# Altium PCB PCB1.PcbDoc
Units mil, origin at the board's own origin, x right, y up, seen from the top; angles counter-clockwise.
Board outline 2675 x 1260 mil, 2 copper layers (Top Layer, Bottom Layer); 35 components, 33 nets, 164 pads, 39 vias.
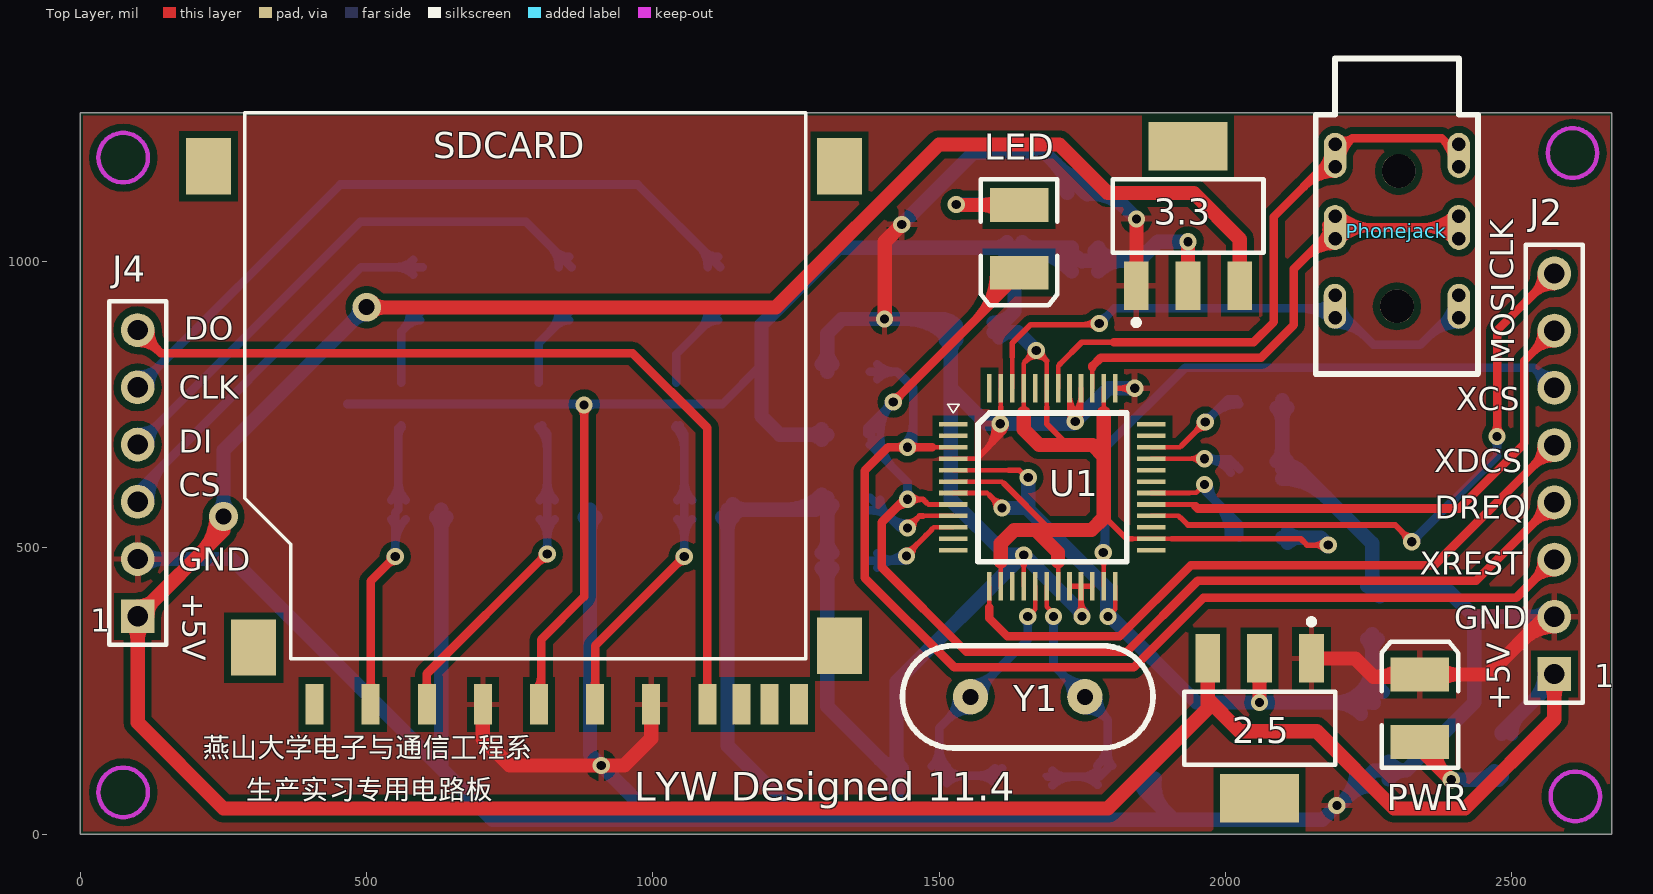
[diagram p0: Top Layer view]
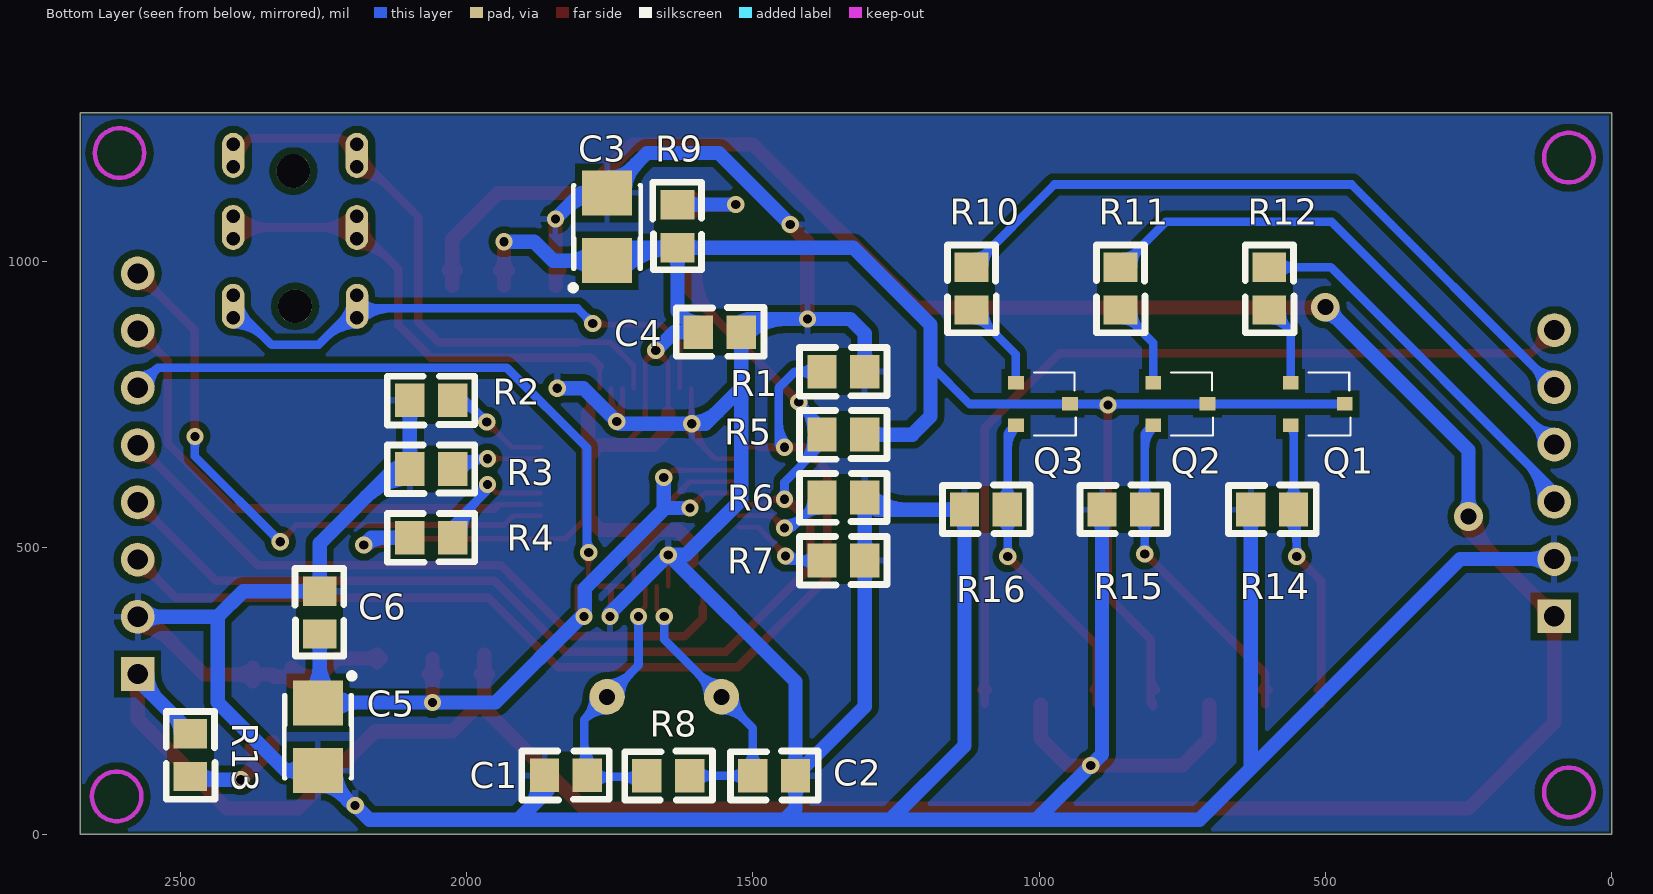
[diagram p1: Bottom Layer view, seen from below]

## Layer stack, top to bottom
Top Layer: signal copper 1.4
Dielectric: dielectric 12.6, FR-4, Dk 4.8
Bottom Layer: signal copper 1.4

## Board outline
0,0 2675,0 2675,1260 0,1260

## Design rules (kind name [scope] priority, off if disabled: settings)
Clearance [All] p1: gap=12
ComponentClearance [All] p1 off: gap=10 collisioncheckmode=3 verticalgap=10 showdistances=FALSE
HoleSize [All] p1 off: absolutevalues=TRUE maxlimit=100 minlimit=1 maxpercent=80.000 minpercent=20.000
HoleToHoleClearance [All] p1: gap=0 allowstackedmicrovias=TRUE
MinimumSolderMaskSliver [All] p1 off: minsoldermaskwidth=8
PolygonConnect [All] p1: connectstyle=Relief reliefconductorwidth=10 reliefentries=4 polygonreliefangle="90 Angle"
RoutingVias [All] p1: holewidth=16 width=30 viastyle="Through Hole" minholewidth=16 minwidth=30 maxholewidth=28 maxwidth=50
SilkscreenOverComponentPads [All] p1: minsilkscreentomaskgap=2
SolderMaskExpansion [All] p1: expansion=2
TestPointUsage FabricationTestPointUsage [All] p1: valid=0 allowmultiple=FALSE
Testpoint FabricationTestpoint [All] p1: side=3 testpointundercomponent=TRUE minsize=40 maxsize=100 preferedsize=60 minholesize=0 maxholesize=40 preferedholesize=32 testpointgrid=1 style=297 order=0-112345678
Width Width_1 [InNet('GND')] p1: maxlimit=50 minlimit=8 preferedwidth=25
Width [All] p2: maxlimit=50 minlimit=8 preferedwidth=15
19 further rules are at their usual default settings.

## Components (designator, comment, footprint, x,y, rotation, side; value= is the part's Value field where it differs from the comment)
2.5 "LM1117-2.5" SOT223 2060,185 r180 top (schematic designator U3)
3.3 "LM1117-3.3" SOT223 1935,1080 r0 top (schematic designator U2)
C1 "Cap2" C0805 1825,100 r0 bottom
C2 "Cap2" C0805 1465,105 r180 bottom
C3 "Cap Pol3" 3528 1755,1060 r90 bottom
C4 "Cap2" C0805 1560,880 r180 bottom
C5 "Cap Pol3" 3528 2260,171.28 r270 bottom
C6 "Cap2" C0805 2260,385 r90 bottom
J2 "Header 8" HDR1X8 2575,279.68 r90 top
J4 "Header 6" HDR1X6 100,380.63 r90 top
LED "LED3" DSO-C2/D5.6 1640,1040 r270 top
Phonejack "Phonejack" 3.5MMPHONEJACK 2300,1060 r270 top
PWR "LED3" DSO-C2/D5.6 2340,220 r90 top (schematic designator PWR1)
Q1 "8050" SOT-23 515,750 r270 bottom
Q2 "8050" SOT-23 755,750 r270 bottom
Q3 "8050" SOT-23 995,750 r270 bottom
R1 "Res2" C0805 1340,805 r0 bottom
R2 "Res2" C0805 2060,755 r0 bottom
R3 "Res2" C0805 2060,635 r0 bottom
R4 "Res2" C0805 2060,515 r0 bottom
R5 "Res2" C0805 1340,695 r0 bottom
R6 "Res2" C0805 1340,585 r0 bottom
R7 "Res2" C0805 1340,475 r0 bottom
R8 "Res2" C0805 1650,105 r180 bottom
R9 "Res2" C0805 1635,1060 r90 bottom
R10 "Res2" C0805 1115,955 r270 bottom
R11 "Res2" C0805 855,955 r270 bottom
R12 "Res2" C0805 595,955 r270 bottom
R13 "Res2" C0805 2480,140 r270 bottom
R14 "Res2" C0805 595,570 r180 bottom
R15 "Res2" C0805 855,570 r180 bottom
R16 "Res2" C0805 1095,570 r180 bottom
SDCARD "SD_card" SDCARD 775,770 r90 top (schematic designator J3)
U1 "VS1003" LQFP-48 1695,600 r0 top
Y1 "12.288M" XTAL 1655,240 r180 top

## Footprints (in the part's own frame and the unit in brackets; to place one, negate y for a bottom-side part, rotate by r counter-clockwise, add the part's x,y. Pads: shape width x height; smd on the part's side, far side on the other; paste and mask are expansions set on the pad)
3.5MMPHONEJACK [mm]
  oval 2x1 all layers, no hole: 1(-3.199,2.743) 1(-3.199,-2.743) 2(3.5,2.75) 2(3.5,-2.75) 3(0,2.75) 3(0.001,-2.743)
  round 0.8 hole 0.6: 1A(-3.699,2.743) 1A(-3.699,-2.743) 1B(-2.699,2.743) 1B(-2.699,-2.743) 2A(3.007,2.743) 2A(3.007,-2.743) 2B(4.007,2.743) 2B(4.007,-2.743) 3A(-0.499,2.743) 3A(-0.499,-2.743) 3B(0.501,2.743) 3B(0.501,-2.743)
  round 1.5 hole 1.5: ""(-2.5,0.076) ""(3.5,0)
  silkscreen extent -7.5,-3.61 6.5,3.6
3528 [mm]
  rect 2x2.2 smd: 1(-1.475,0) 2(1.525,0)
  silkscreen extent -2.8,-1.5 1.88,1.63
C0805 [mm]
  rect 1.3x1.5 smd: 1(-0.899,-0.076) 2(1.001,-0.076)
  silkscreen extent -1.88,-1.14 2.01,1.02
DSO-C2/D5.6 [mm] "SM LED; 2 C-Bend Leads; Body 3.5 x 2.8 x 1.9 mm, inc leads (LxWxH typ)"
  rect 1.5x2.6 smd: 1(-1.5,0) 2(1.5,0)
  silkscreen extent -2.65,-1.7 2.95,1.7
HDR1X6 [mm] "Connector; Header; 6 Position"
  rect 1.5x1.5 hole 0.9: 1(0,0)
  round 1.5 hole 0.9: 2(2.54,0) 3(5.08,0) 4(7.62,0) 5(10.16,0) 6(12.7,0)
  silkscreen extent -1.27,-1.27 13.97,1.27
HDR1X8 [mm] "Connector; Header; 8 Position"
  rect 1.5x1.5 hole 0.9: 1(0,0)
  round 1.5 hole 0.9: 2(2.54,0) 3(5.08,0) 4(7.62,0) 5(10.16,0) 6(12.7,0) 7(15.24,0) 8(17.78,0)
  silkscreen extent -1.27,-1.27 19.05,1.27
LQFP-48 [mil]
  rect 50x8 smd: 1(-170,116) 2(-170,96) 3(-170,76) 4(-170,56) 5(-170,36) 6(-170,16) 7(-170,-4) 8(-170,-24) 9(-170,-44) 10(-170,-64) 11(-170,-84) 12(-170,-104) 25(176,-104) 26(176,-84) 27(176,-64) 28(176,-44) 29(176,-24) 30(176,-4) 31(176,16) 32(176,36) 33(176,56) 34(176,76) 35(176,96) 36(176,116)
  rect 8x50 smd: 13(-107,-167) 14(-87,-167) 15(-67,-167) 16(-47,-167) 17(-27,-167) 18(-7,-167) 19(13,-167) 20(33,-167) 21(53,-167) 22(73,-167) 23(93,-167) 24(113,-167) 37(113,179) 38(93,179) 39(73,179) 40(53,179) 41(33,179) 42(13,179) 43(-7,179) 44(-27,179) 45(-47,179) 46(-67,179) 47(-87,179) 48(-107,179)
  silkscreen extent -180,-124 133,151
SDCARD [mm]
  rect 1.8x0.8 smd: 1(-13.8,6.804) 2(-13.8,4.315) 3(-13.8,1.826) 4(-13.8,-0.664) 5(-13.8,-3.153) 6(-13.8,-5.642) 7(-13.8,-8.131) 8(-13.8,-9.655) 9(-13.8,9.293) 10(-13.8,-10.9) 11(-13.8,-12.195)
  rect 2.5x2 smd: 12(-11.278,12) 12(-11.201,-14) 12(10.076,14) 12(10.076,-14)
  silkscreen extent -11.77,-12.5 12.45,12.39
SOT223 [mm]
  rect 1.1x2.15 smd: 1(-2.3,-3.1) 2(0,-3.1) 3(2.3,-3.1)
  rect 3.5x2.15 smd: 2(0,3.1)
  silkscreen extent -3.35,-4.85 3.35,1.63
SOT-23 [mm]
  rect 0.6x0.7 smd: 1(-0.99,-1.159) 2(0.91,-1.159) 3(-0.04,1.241)
  silkscreen extent -1.44,-0.36 1.36,1.49
XTAL [mil]
  round 62 hole 28: 1(-100,0) 2(100,0)
  silkscreen extent -219,-89 219,89

## Part data
2.5: library part LM1117-3.3
C1 C2 C4 C6: "Capacitor"
C3 C5: "Polarized Capacitor (Surface Mount)"
J2: "Header, 8-Pin"
J4: "Header, 6-Pin"
LED PWR: "Typical BLUE SiC LED"
R1 R2 R3 R4 R5 R6 R7 R8 R9 R10 R11 R12 R13 R14 R15 R16: "Resistor"
Y1: library part XTAL, "Crystal Oscillator"

## Via types
v1: diameter 30, hole 16, Top Layer to Bottom Layer, 37 vias
v2: diameter 50, hole 28, Top Layer to Bottom Layer, 2 vias

## Nets (pads, with @x,y where several pads share a name; then routed paths per layer and width w, separated by ;. In a path a pad name is that pad's centre, name@x,y a point inside that pad or via, vN(x,y) a via of type N, cw(c..) or ccw(c..) an arc to the next point about the centre after c; other vN are vias at no path point)
CS: J4.3 R12.1 | length 876.2
  Bottom Layer w15: J4.3 100,600 490.4,990.4 R12.1 ; J4.3@107.03,580.63 cw(c170.76,580.63) 125.69,625.69 ; J4.3@122.03,580.63 cw(c221.97,580.63) 151.3,651.3 ; R12.1@581.27,977.61 ccw(c550.39,946.73) 550.39,990.4 ccw(c550.39,1034.08) R12.1@581.27,1003.19
DI: J4.4 R11.1 | length 1104.4
  Bottom Layer w15: J4.4 489.37,1070 778.4,1070 R11.1 ; J4.4@100,702.66 ccw(c100,755.84) 137.6,718.23 ccw(c175.21,680.63) J4.4@122.03,680.63 ; 820.4,1028 cw(c782.79,990.4) R11.1@835.97,990.4 ; 829.9,1018.5 ccw(c854.06,1042.66) R11.1@854.06,1008.49
DO: J4.6 SDCARD.7 | length 1663.8
  Top Layer w15: J4.6@100,858.6 cw(c100,805.42) 137.6,843.03 cw(c175.21,880.63) J4.6@122.03,880.63 ; J4.6 140.63,840 965,840 1095.13,709.87 SDCARD.7 ; SDCARD.7@1089.29,252.21 ccw(c1075.21,266.29) 1095.13,266.29 ccw(c1115.04,266.29) SDCARD.7@1100.96,252.21
DREQ: J2.4 LED.2 R5.2 U1.8 | length 2694.6
  Top Layer w8: v1@1440,585 v1(1445,585) ; 1477.5,579.5 1480,577 1480.7,577 1481.7,576 U1.8
  Top Layer w10: v1(1445,585) 1472,585 1477.5,579.5 ; v1@1452.07,577.93 cw(c1469.14,560.86) 1469.14,585 cw(c1469.14,609.14) v1@1452.07,592.07 ; LED.2@1627.03,967.97 LED.2
  Top Layer w15: v1(1420,755) 1625,960 LED.2@1625,970 ; v1@1420,762.5 ccw(c1420,780.61) 1432.8,767.8 ccw(c1445.61,755) v1@1427.5,755 ; 1423.66,568.66 cw(c1445,547.32) v1@1445,577.5 ; v1@1440,585 1400,545 1400,466.42 1547.92,318.5 1827.5,318.5 1951.84,442.84 2438.16,442.84 J2.4 ; 1561.23,896.23 ccw(c1476.51,980.94) LED.2@1596.32,980.94 ; 1586.83,921.83 ccw(c1527.72,980.94) LED.2@1611.32,980.94 ; 1612.44,947.44 ccw(c1578.94,980.94) LED.2@1626.32,980.94 ; J2.4@2552.97,579.68 cw(c2499.79,579.68) 2537.4,542.08 cw(c2575,504.48) J2.4@2575,557.66
  Bottom Layer w15: R5.2@1375,700 1375,710 v1(1420,755) ; R5.2@1379.4,680.6 1445,615 v1(1445,585) ; R5.2 R5.2@1379.4,700 ; R5.2@1382.49,694.06 ccw(c1422.46,694.06) 1394.2,665.8 ; R5.2@1382.49,701.94 cw(c1420.05,701.94) 1393.49,728.49 ; R5.2@1397.49,694.06 ccw(c1473.67,694.06) 1419.8,640.2 ; R5.2@1397.49,701.94 cw(c1471.26,701.94) v1@1419.1,754.1 ; v1@1412.5,755 cw(c1394.39,755) 1407.2,742.2 cw(c1420,729.39) v1@1420,747.5 ; v1@1422.5,752.5 v1@1425,755 ; v1@1439.7,590.3 ccw(c1426.89,603.11) 1445,603.11 ccw(c1463.11,603.11) v1@1450.3,590.3
GBUF: Phonejack.1 Phonejack.1A Phonejack.1B U1.42 | length 1545.5
  Top Layer w8: U1.42 1708,818 1711.5,821.5
  Top Layer w10: 1711.5,821.5 1749.5,859.5 1784,859.5 ; 1798.32,859.5 1784,859.5 ; 1805,859.5 1784,859.5
  Top Layer w15: 1805,859.5 2049.5,859.5 2085,895 2085,1078.94 2192,1185.94 2222.06,1216 ; 2137.59,1131.54 cw(c2192,1077.13) Phonejack.1B@2192,1154.07 ; 2144.32,1138.26 cw(c2192,1090.58) Phonejack.1B@2192,1158.01 ; 2163.2,1157.15 cw(c2192,1128.35) Phonejack.1B@2192,1169.07 ; 2164,1157.95 ccw(c2116.32,1205.63) Phonejack.1A@2183.75,1205.63 ; 2169.92,1163.87 cw(c2192,1141.79) Phonejack.1B@2192,1173.01 ; Phonejack.1B@2185.25,1166.26 cw(c2216.47,1166.26) Phonejack.1@2194.39,1188.34 ; Phonejack.1A@2188.56,1199.82 ccw(c2196.86,1213.84) Phonejack.1@2208.38,1202.32 ; Phonejack.1@2189.61,1183.55 ccw(c2167.53,1205.63) Phonejack.1A@2198.75,1205.63 ; Phonejack.1A@2196.2,1212.73 ccw(c2207.02,1231.04) 2222.05,1216 ; Phonejack.1A@2199.8,1214.99 ccw(c2210.38,1227.68) 2222.05,1216 ; Phonejack.1B@2200.25,1166.26 cw(c2267.68,1166.26) 2220,1213.94 ; 2380,1213.94 cw(c2332.32,1166.26) Phonejack.1B@2399.75,1166.26 ; Phonejack.1A@2402.22,1199.75 cw(c2388.64,1185.95) Phonejack.1@2408,1185.95 ; Phonejack.1@2405.61,1188.34 cw(c2383.53,1166.26) Phonejack.1B@2414.75,1166.26 ; Phonejack.1A@2413.78,1199.75 ccw(c2427.36,1185.95) Phonejack.1@2408,1185.95 ; 2222.06,1216 2377.94,1216 Phonejack.1@2408,1185.94
GND: 2.5.1 3.3.1 C1.2 C2.2 C3.2 C4.2 C5.2 C6.2 J2.2 J4.2 PWR.2 R1.1 R2.2 R3.2 R6.1 R7.1 R14.1 R15.1 R16.1 SDCARD.3 SDCARD.6 U1.4 U1.16 U1.20 U1.21 U1.22 U1.37 U1.40 U1.41 U1.47 | length 12563.1
  Top Layer w8: U1.4 1566,656 1568.5,658.5 ; 1608,745.96 U1.47 ; v1@1640.22,480.22 cw(c1621.44,461.44) 1648,461.44 cw(c1674.56,461.44) v1@1655.78,480.22 ; U1.16 v1@1648,487 ; 1728,733.07 ccw(c1750.07,733.07) v1@1734.46,717.46 ; 1728,752.38 ccw(c1769.38,752.38) v1@1740.12,723.12 ; U1.41@1728,771.7 ccw(c1788.7,771.7) v1@1745.78,728.78 ; U1.41 1728,731 v1(1738,721) 1748,731 U1.40 ; v1@1730.22,728.78 ccw(c1687.3,771.7) U1.40@1748,771.7 ; v1@1735.88,723.12 ccw(c1706.62,752.38) 1748,752.38 ; v1@1741.54,717.46 ccw(c1725.93,733.07) 1748,733.07
  Top Layer w10: 1568.5,658.5 1608,698 1608,745.96 ; 1578.5,668.5 ccw(c1533.63,713.38) v1@1597.01,716.51 ; 1594.45,684.45 ccw(c1564.02,714.88) v1(1607,717) ; v1@1599.93,724.07 ccw(c1580.44,743.56) 1608,743.56 ; v1@1602.01,708.33 cw(c1596.05,697.97) 1608,697.97 cw(c1622.61,697.97) v1@1613.34,709.27 ; 1608,738.73 ccw(c1628.73,738.73) v1@1614.07,724.07 ; 1610.39,700.39 ccw(c1594.41,716.38) v1@1616.99,717.49 ; U1.20@1729,433 U1.21 ; v1@1742.93,387.07 ccw(c1730.69,399.31) 1748,399.31 ; v1@1748,382 U1.21 ; U1.21@1748,408.97 ccw(c1778.97,408.97) v1@1757.07,387.07 ; U1.22@1767,433 U1.21 ; U1.37@1809,779 v1(1842,779) ; v1@1834.93,771.93 ccw(c1817.86,754.86) 1817.86,779 ccw(c1817.86,803.14) v1@1834.93,786.07
  Top Layer w25: SDCARD.3 703.13,166.87 750,120 v1(910,120) 950,120 997.13,167.13 SDCARD.6 ; v1(1405,900) 1405,1035 v1(1435,1065) ; 3.3.1@1837.98,985.09 ccw(c1821.02,1002.05) 1845,1002.05 ; 3.3.1 1845,958.5 v1(1845,1075) ; 2.5.1 2226.95,307.05 2259,275 2335.94,275 PWR.2 2459.06,279.06 J2.2@2560,380 ; 2.5.1@2157.02,300.57 cw(c2172.65,284.95) 2172.65,307.05 cw(c2172.65,329.15) 2.5.1@2157.02,313.52 ; 2267.45,275 ccw(c2267.45,329.95) PWR.2@2306.31,291.1 ; 2287.03,275 cw(c2287.03,247.74) PWR.2@2306.31,267.01 ; PWR.2@2373.69,267.01 cw(c2402.76,237.95) 2402.76,279.06 cw(c2402.76,320.16) PWR.2@2373.69,291.1 ; 2519.79,339.79 cw(c2575,284.58) J2.2@2575,362.66 ; J2.2@2562.5,377.5 2564.69,379.68 J2.2
  Bottom Layer w25: J4.2 264.37,480.63 630.4,114.6 ; J4.2@112.04,468.59 cw(c141.11,439.52) 141.11,480.63 cw(c141.11,521.74) J4.2@112.04,492.67 ; R14.1@621.15,553.81 cw(c598.8,531.46) 630.4,531.46 cw(c662,531.46) R14.1@639.66,553.81 ; R14.1 630.4,114.6 ; R15.1@881.15,553.81 cw(c858.8,531.46) 890.4,531.46 cw(c922,531.46) R15.1@899.66,553.81 ; R15.1 890.4,139.6 1005,25 ; R16.1@1121.15,553.81 cw(c1098.8,531.46) 1130.4,531.46 cw(c1162,531.46) R16.1@1139.66,553.81 ; R16.1@1139.66,557.74 cw(c1162,535.4) 1162,567 cw(c1162,598.6) R16.1@1139.66,576.26 ; 1231.8,567 ccw(c1231.8,656.86) R6.1@1295.34,593.32 ; R6.1@1283.6,567 R16.1 1130.4,154.6 1260,25 ; R7.1@1295.34,464.81 cw(c1273,442.46) 1304.6,442.46 cw(c1336.2,442.46) R7.1@1313.85,464.81 ; R7.1@1295.34,491.19 ccw(c1273,513.54) 1304.6,513.54 ccw(c1336.2,513.54) R7.1@1313.85,491.19 ; R6.1@1295.34,574.81 cw(c1273,552.46) 1304.6,552.46 cw(c1336.2,552.46) R6.1@1313.85,574.81 ; R1.1@1295.34,821.19 ccw(c1273,843.54) 1304.6,843.54 ccw(c1336.2,843.54) R1.1@1313.85,821.19 ; R6.1 R7.1 1304.6,223 C2.2 ; R1.1 1304.6,874.6 1330,900 v1(1405,900) 1497.6,900 C4.2 1520.6,779.4 ; 1396.53,131.07 ccw(c1425.6,160.14) C2.2@1425.6,119.03 ; C2.2@1416.34,88.81 cw(c1394,66.46) 1425.6,66.46 cw(c1457.2,66.46) C2.2@1434.85,88.81 ; C2.2@1416.34,115.19 ccw(c1394,137.54) 1425.6,137.54 ccw(c1457.2,137.54) C2.2@1434.85,115.19 ; v1(1435,1065) 1560,1190 1685.06,1190 C3.2 ; 1442.97,900 cw(c1442.97,803.31) C4.2@1511.34,871.68 ; C4.2@1503.33,900 cw(c1503.33,863.67) C4.2@1529.02,889.36 ; C4.2@1511.34,863.81 cw(c1489,841.46) 1520.6,841.46 cw(c1552.2,841.46) C4.2@1529.85,863.81 ; 1561.76,738.24 ccw(c1607,783.48) v1@1607,719.5 ; v1(1648,488) 1750,386 v1(1750,380) ; 1702.41,1172.65 cw(c1649.82,1120.06) C3.2@1724.19,1120.06 ; 1711.91,1163.14 ccw(c1751.06,1202.29) C3.2@1751.06,1146.93 ; 1722.31,717 ccw(c1722.31,736.69) v1@1736.23,722.77 ; 1741.49,394.51 cw(c1726.98,380) v1@1747.5,380 ; C3.2@1755,1145 C3.2 ; C3.2@1759.08,1118.19 cw(c1765.61,1031.63) 1826.99,1093.01 ; v1(1842,779) 1796,779 v1(1738,721) 1734,717 v1(1607,717) 1583,717 1520.6,779.4 ; v1(1845,1075) 1799.94,1120.06 C3.2 ; C1.2@1852.66,101.03 ccw(c1883.73,95.83) C1.2@1861.45,73.55 ; C1.2 1864.4,70.6 ; C1.2@1877.31,96.9 ccw(c1942.51,85.98) 1895.77,39.23 ; R3.2@2090.15,651.19 ccw(c2067.8,673.54) 2099.4,673.54 ccw(c2131,673.54) R3.2@2108.66,651.19 ; R2.2@2090.15,744.81 cw(c2067.8,722.46) 2099.4,722.46 cw(c2131,722.46) R2.2@2108.66,744.81 ; R3.2@2099.4,620.97 cw(c2099.4,513.24) 2175.58,589.42 ; R3.2@2099.4,645.97 cw(c2099.4,598.59) 2132.91,632.09 ; R2.2 R3.2 2127,638 2257,508 C6.2 2390.6,424.4 2435.31,379.68 ; 2207.41,58.64 ccw(c2154.82,111.23) C5.2@2229.19,111.23 ; 2216.91,68.14 cw(c2256.06,28.99) C5.2@2256.06,84.36 ; C6.2@2247.74,433.66 ccw(c2225.4,456) 2257,456 ccw(c2288.6,456) C6.2@2266.26,433.66 ; C6.2@2270.19,415.15 cw(c2292.54,392.8) 2292.54,424.4 cw(c2292.54,456) C6.2@2270.19,433.66 ; C5.2@2285.78,95.58 cw(c2316.23,73.79) 2316.23,111.23 ; C5.2@2285.78,126.87 ccw(c2316.23,148.67) 2316.23,111.23 ; J2.2@2562.96,367.64 ccw(c2533.89,338.58) 2533.89,379.68 ccw(c2533.89,420.79) J2.2@2562.96,391.73 ; J2.2 2435.31,379.68 ; 630.4,114.6 720,25 1005,25 ; 1005,25 1260,25 ; 1260,25 1445,25 ; C2.2 1425.6,266.6 1647,488 1617,488 1520.6,584.4 1520.6,779.4 ; C2.2 1425.6,44.4 1445,25 ; 1445,25 1910,25 ; 1864.4,70.6 ccw(c1840,70.6) 1855.88,89.12 cw(c1840,70.6) 1864.4,70.6 ; 1864.4,70.6 cw(c1888.8,70.6) 1872.92,89.12 ccw(c1888.8,70.6) 1864.4,70.6 ; 1864.4,70.6 1910,25 ; 1910,25 2170,25 v1(2195,50) 2198.77,50 C5.2 2316.23,111.23 ; 2316.23,111.23 2435.31,230.32 2435.31,379.68
LEFT: Phonejack.2 Phonejack.2A Phonejack.2B U1.46 | length 1694.7
  Top Layer w8: U1.46 1628,834
  Top Layer w10: 1628,834 1628,858 1660,890 1780,890 v1(1780,892) ; 1751.03,890 ccw(c1751.03,920.97) v1@1772.93,899.07 ; 1760.69,890 cw(c1760.69,872.69) v1@1772.93,884.93
  Bottom Layer w10: v1@1780,890 v1(1780,892)
  Bottom Layer w15: v1(1780,892) 1806.47,918.47 2188,918.47 2191.73,922.2 2258.94,855 2341.06,855 Phonejack.2@2408.27,922.2 ; v1@1780,899.5 ccw(c1780,917.61) 1792.8,904.8 ccw(c1805.61,892) v1@1787.5,892 ; 2132.96,918.47 cw(c2132.96,843.22) Phonejack.2@2186.17,896.43 ; 2153.3,918.47 ccw(c2153.3,960.64) Phonejack.2@2183.12,930.82 ; 2169.17,918.47 cw(c2169.17,879.43) Phonejack.2@2196.77,907.03 ; 2171.34,918.47 cw(c2171.34,901.81) Phonejack.2@2183.12,913.59 ; Phonejack.2@2185.25,941.63 ccw(c2216.49,941.63) Phonejack.2@2194.4,919.54 ; Phonejack.2@2189.01,924.93 ccw(c2197.38,933.29) Phonejack.2@2203.79,923.35 ; Phonejack.2@2191.73,890.33 cw(c2191.73,813.39) 2246.14,867.8 ; Phonejack.2@2191.73,905.33 cw(c2191.73,864.61) 2220.53,893.41 ; Phonejack.2@2192,894.01 cw(c2192,826.59) 2239.67,874.27 ; Phonejack.2@2192,909.01 cw(c2192,877.81) 2214.06,899.87 ; Phonejack.2@2195.39,918.54 cw(c2183.99,907.14) Phonejack.2@2197.77,898.75 ; Phonejack.2@2200.25,941.63 ccw(c2267.7,941.63) 2220.01,893.93 ; Phonejack.2@2208.89,905.04 cw(c2200.77,896.92) 2210.58,890.95 ; 2353.86,867.8 cw(c2408.27,813.39) Phonejack.2@2408.27,890.33 ; 2360.33,874.27 cw(c2408,826.59) Phonejack.2@2408,894.01 ; 2379.47,893.41 cw(c2408.27,864.61) Phonejack.2@2408.27,905.33 ; 2379.99,893.93 ccw(c2332.3,941.63) Phonejack.2@2399.75,941.63 ; 2385.94,899.87 cw(c2408,877.81) Phonejack.2@2408,909.01 ; Phonejack.2@2405.6,919.54 ccw(c2383.51,941.63) Phonejack.2@2414.75,941.63
MISO: R4.1 U1.30 | length 350.3
  Top Layer w8: U1.30 1937.77,596 1938.35,596.58 1949.58,596.58 v1(1964,611)
  Bottom Layer w15: v1@1965,601 1965,600 2024.6,540.4 R4.1 ; v1@1971.5,611 ccw(c2013.75,611) 1983.87,581.13 ; 1980.66,584.34 cw(c1918.26,521.94) R4.1@2006.51,521.94 ; 2006.27,558.73 cw(c1969.47,521.94) R4.1@2021.51,521.94
MOSI: J2.7 U1.29 | length 1004.3
  Top Layer w8: U1.29 1945.16,576 1948.08,573.08
  Top Layer w10: 1948.08,572.67 1948.08,573.08
  Top Layer w15: 1948.08,573.08 1952.16,569 2409,569 2522.66,682.66 2522.66,827.34 J2.7 ; J2.7@2552.97,879.68 cw(c2499.79,879.68) 2537.4,842.08 cw(c2575,804.48) J2.7@2575,857.66
NetLED_1: LED.1 R9.2 | length 326.9
  Top Layer w25: v1(1530,1100) 1530.94,1099.06 LED.1 ; LED.1@1606.31,1087.01 ccw(c1577.24,1057.95) 1577.24,1099.06 ccw(c1577.24,1140.16) LED.1@1606.31,1111.1
  Bottom Layer w25: v1(1530,1100) 1631.4,1100 R9.2 ; 1595.02,1100 cw(c1595.02,1066.35) R9.2@1618.81,1090.15 ; 1597.9,1100 ccw(c1597.9,1129.56) R9.2@1618.81,1108.66
NetPWR_1: PWR.1 R13.2 | length 262.2
  Top Layer w25: PWR.1 2340,150 v1(2395,95) ; PWR.1@2375.48,151 ccw(c2400.45,133.05) 2378.7,111.3
  Bottom Layer w25: v1(2395,95) 2477.4,95 R13.2 ; 2433.94,95 ccw(c2433.94,145.72) R13.2@2469.81,109.85
NetQ1_1: Q1.1 R12.2 | length 207.1
  Bottom Layer w15: Q1.1 560.62,878.22 R12.2 ; 562.59,880.19 ccw(c530.13,912.66) R12.2@575.99,914.77 ; 569.9,887.5 cw(c594.06,863.34) R12.2@594.06,897.51
NetQ1_2: Q1.2 R14.2 SDCARD.1 | length 751.4
  Top Layer w15: SDCARD.1@501.29,252.21 ccw(c487.21,266.29) 507.13,266.29 ccw(c527.04,266.29) SDCARD.1@512.96,252.21 ; SDCARD.1 507.13,442.13 v1(550,485) ; v1@542.5,485 cw(c524.39,485) 537.2,472.2 cw(c550,459.39) v1@550,477.5
  Bottom Layer w15: R14.2@542.81,550.27 cw(c525.44,532.9) 550,532.9 ; R14.2@542.81,583.73 ccw(c511.92,614.61) 555.6,614.61 ccw(c599.27,614.61) R14.2@568.39,583.73 ; v1@544.7,490.3 ccw(c531.89,503.11) 550,503.11 ccw(c568.11,503.11) v1@555.3,490.3 ; v1(550,485) 550,561.4 R14.2 555.6,709.16 Q1.2 ; 550,505.87 cw(c612.79,505.87) R14.2@568.39,550.27 ; 555.6,696.4 cw(c576.44,696.4) Q1.2@561.7,711.13
NetQ2_1: Q2.1 R11.2 | length 219
  Bottom Layer w15: Q2.1 800.62,858.22 R11.2 ; 820.4,878 ccw(c782.79,915.6) R11.2@835.97,915.6 ; 829.9,887.5 cw(c854.06,863.34) R11.2@854.06,897.51
NetQ2_2: Q2.2 R15.2 SDCARD.2 | length 889.7
  Top Layer w10: v1@809.53,489.4 814.4,489.4 v1(815.6,489.4)
  Top Layer w15: SDCARD.2@599.29,252.21 ccw(c585.21,266.29) 605.13,266.29 ccw(c625.04,266.29) SDCARD.2@610.96,252.21 ; SDCARD.2 605.13,280.13 814.4,489.4 v1@815,490 ; 800.75,475.75 cw(c815.6,460.91) v1@815.6,481.9 ; 803.64,478.64 ccw(c792.88,489.4) v1@808.1,489.4
  Bottom Layer w10: Q2.2 Q2.2@804.9,709.9
  Bottom Layer w15: Q2.2@799.54,711.13 cw(c760.78,672.37) 815.6,672.37 ; Q2.2@802.04,709.91 cw(c800.06,694.49) 815.6,694.49 ; R15.2@802.81,550.27 cw(c771.92,519.39) 815.6,519.39 cw(c859.27,519.39) R15.2@828.39,550.27 ; R15.2@802.81,583.73 ccw(c771.92,614.61) 815.6,614.61 ccw(c859.27,614.61) R15.2@828.39,583.73 ; Q2.2@805,710 815.6,699.4 R15.2 v1(815.6,489.4) ; Q2.2@806.9,714.18 ccw(c821.59,714.18) Q2.2@811.2,703.8 ; v1@810.3,494.7 ccw(c797.49,507.51) 815.6,507.51 ccw(c833.7,507.51) v1@820.9,494.7
NetQ3_1: Q3.1 R10.2 | length 227.3
  Bottom Layer w15: Q3.1 1040.62,838.22 R10.2 ; 1080.4,878 ccw(c1042.79,915.6) R10.2@1095.97,915.6 ; 1089.9,887.5 cw(c1114.06,863.34) R10.2@1114.06,897.51
NetQ3_2: Q3.2 R16.2 SDCARD.5 | length 858.2
  Top Layer w15: SDCARD.5@893.29,252.21 ccw(c879.21,266.29) 899.13,266.29 ccw(c919.04,266.29) SDCARD.5@904.96,252.21 ; SDCARD.5 899.13,329.13 v1(1055,485) ; v1@1047.5,485 cw(c1029.39,485) 1042.2,472.2 cw(c1055,459.39) v1@1055,477.5
  Bottom Layer w10: v1(1055,485) v1@1055,490
  Bottom Layer w15: Q3.2@1039.54,711.13 cw(c1002.22,673.81) 1055,673.81 ; Q3.2 1055,699.8 v1@1055,490 ; Q3.2@1042.04,709.9 cw(c1040.16,695.19) 1055,695.19 ; R16.2@1042.81,550.27 cw(c1013.37,520.83) 1055,520.83 ; R16.2@1042.81,583.73 ccw(c1013.37,613.17) 1055,613.17 ; Q3.2@1046.9,714.18 ccw(c1062.06,714.18) Q3.2@1051.34,703.46 ; v1@1049.7,490.3 ccw(c1036.89,503.11) 1055,503.11 ccw(c1073.11,503.11) v1@1060.3,490.3 ; 1055,517.94 cw(c1100.72,517.94) R16.2@1068.39,550.27 ; 1055,616.06 ccw(c1100.72,616.06) R16.2@1068.39,583.73
NetR2_1: R2.1 U1.34 | length 311.6
  Top Layer w8: U1.34 1921,676 1924,679 1927,682
  Top Layer w10: 1924,679 v1(1965,720) ; v1@1955,720 cw(c1930.86,720) 1947.93,702.93 cw(c1965,685.86) v1@1965,710
  Bottom Layer w10: R2.1@2020,758 R2.1
  Bottom Layer w15: v1(1965,720) 2005,760 R2.1@2020,760 ; v1@1965,727.5 ccw(c1965,745.61) 1977.8,732.8 ccw(c1990.61,720) v1@1972.5,720 ; 1976.97,731.97 cw(c2022.9,686.03) R2.1@2024.52,750.97
NetR3_1: R3.1 U1.33 | length 316.6
  Top Layer w8: U1.33 v1(1964,656) ; v1@1956.22,648.22 ccw(c1937.44,629.44) 1937.44,656 ccw(c1937.44,682.56) v1@1956.22,663.78
  Bottom Layer w10: v1(1964,656) v1@1965,656
  Bottom Layer w15: v1@1969.3,650.7 cw(c1979.69,640.31) 1979.69,655 ; v1@1969.3,661.3 ccw(c1984.52,676.52) 1984.52,655 ; 1993.7,655 cw(c1993.7,620.46) R3.1@2022.06,640.17 ; R3.1@2009.74,631.61 ccw(c1965,600.51) 1965,655 2007.6,655 R3.1
NetR6_2: R6.2 U1.9 | length 320.9
  Top Layer w8: 1472,556 U1.9
  Top Layer w10: v1(1445,535) 1466,556 1472,556 ; v1@1445,545 ccw(c1445,569.14) 1462.07,552.07 ccw(c1479.14,535) v1@1455,535
  Bottom Layer w15: R6.2@1379.4,565.97 cw(c1379.4,512.79) 1417,550.4 ; R6.2 1432.4,535 v1(1445,535) ; R6.2@1397.49,584.06 ccw(c1431.66,584.06) 1407.5,559.9 ; 1410.69,556.71 ccw(c1445,591.02) v1@1445,542.5
NetR7_2: R7.2 U1.10 | length 317.7
  Top Layer w8: 1487.5,532.5 1491,536 U1.10
  Top Layer w10: v1@1443,496 ccw(c1443,515.93) 1457.09,501.84 ; v1@1445,480 1445,489.75 1477,521.75 1477,522 1487.5,532.5 ; v1@1453,486 cw(c1481.36,486) 1461.31,506.05
  Bottom Layer w15: R7.2 1443,478 v1@1445,480 ; R7.2@1392.19,465.21 cw(c1423.08,434.33) 1423.08,478 cw(c1423.08,521.67) R7.2@1392.19,490.79 ; 1405.58,478 ccw(c1405.58,523.42) v1@1437.7,491.3
  other v1: 1443,486
RCAP: U1.44
RIGHT: Phonejack.3 Phonejack.3A Phonejack.3B U1.39 | length 1660.9
  Top Layer w8: U1.39 1768,812.04
  Top Layer w10: 1768,812.04 1768,815.58 ; Phonejack.3@2404.94,1059.94 Phonejack.3@2405,1060
  Top Layer w15: 1768,815.58 1768,818 1782.5,832.5 2062.5,832.5 2120,890 2120,987.94 Phonejack.3@2192,1059.94 ; 2137.59,1005.54 cw(c2192,951.13) Phonejack.3B@2192,1028.07 ; 2144.32,1012.26 cw(c2192,964.58) Phonejack.3B@2192,1032.01 ; 2163.2,1031.15 cw(c2192,1002.35) Phonejack.3B@2192,1043.07 ; 2164,1031.95 ccw(c2116.32,1079.63) Phonejack.3A@2183.75,1079.63 ; 2169.92,1037.87 cw(c2192,1015.79) Phonejack.3B@2192,1047.01 ; Phonejack.3@2176.62,1055.64 cw(c2187.01,1045.25) 2187.01,1059.94 cw(c2187.01,1074.64) Phonejack.3@2176.62,1064.25 ; Phonejack.3A@2186.22,1073.75 cw(c2172.64,1059.95) Phonejack.3@2192,1059.95 ; Phonejack.3B@2187.23,1045.03 cw(c2223.22,1009.04) 2223.22,1059.94 cw(c2223.22,1110.85) Phonejack.3A@2187.23,1074.86 ; Phonejack.3@2189.61,1057.55 ccw(c2167.53,1079.63) Phonejack.3A@2198.75,1079.63 ; Phonejack.3A@2197.78,1073.75 ccw(c2211.36,1059.95) Phonejack.3@2192,1059.95 ; Phonejack.3B@2197.83,1034.43 cw(c2259.44,972.82) 2259.44,1059.94 cw(c2259.44,1147.07) Phonejack.3A@2197.83,1085.46 ; Phonejack.3B@2200.62,1051.33 cw(c2221.42,1030.53) 2221.42,1059.94 cw(c2221.42,1089.36) Phonejack.3A@2200.62,1068.56 ; 2378.72,1059.94 ccw(c2378.72,1089.55) Phonejack.3@2399.65,1068.62 ; 2378.98,1059.94 cw(c2378.98,1030.72) Phonejack.3@2399.65,1051.38 ; Phonejack.3@2402.17,1034.43 ccw(c2340.56,972.82) 2340.56,1059.94 ccw(c2340.56,1147.07) Phonejack.3@2402.17,1085.46 ; Phonejack.3@2404.94,1059.94 Phonejack.3@2192,1059.94 ; Phonejack.3@2412.77,1045.03 ccw(c2376.78,1009.04) 2376.78,1059.94 ccw(c2376.78,1110.85) Phonejack.3@2412.77,1074.86
SCLK: J2.8 U1.28 | length 1252.6
  Top Layer w8: U1.28 1919,556 1922,553
  Top Layer w10: 1922,553 1935,540 2297,540 v1(2326,511) ; v1@2316,511 ccw(c2291.86,511) 2308.93,528.07 ccw(c2326,545.14) v1@2326,521
  Top Layer w15: v1@2469.7,700.3 ccw(c2456.89,713.11) 2475,713.11 ccw(c2493.11,713.11) v1@2480.3,700.3 ; v1(2475,695) 2475,880 J2.8@2575,980 ; 2536.86,941.86 cw(c2575,903.72) J2.8@2575,957.66 ; 2537.62,942.62 ccw(c2500.55,979.68) J2.8@2552.97,979.68
  Bottom Layer w15: v1(2326,511) 2475,660 v1(2475,695) ; v1@2326,518.5 ccw(c2326,536.61) 2338.8,523.8 ccw(c2351.61,511) v1@2333.5,511 ; v1@2469.7,689.7 cw(c2456.89,676.89) 2475,676.89 cw(c2493.11,676.89) v1@2480.3,689.7
SCLK_SD: J4.5 R10.1 | length 1376.8
  Bottom Layer w15: J4.5 454.37,1135 973.4,1135 R10.1 ; J4.5@100,802.66 ccw(c100,855.84) 137.6,818.23 ccw(c175.21,780.63) J4.5@122.03,780.63 ; 1080.4,1028 cw(c1042.79,990.4) R10.1@1095.97,990.4 ; 1089.9,1018.5 ccw(c1114.06,1042.66) R10.1@1114.06,1008.49
VCC2.5: 2.5.2@2060,307.05 C5.1 C6.1 U1.5 U1.7 U1.24 | length 1705.7
  Top Layer w8: U1.7 1584,596 1588.5,591.5 ; U1.5 1622,636 ; v1(1795,380) 1808,393 U1.24
  Top Layer w10: 1588.5,591.5 v1(1610,570) ; v1@1600,570 ccw(c1575.86,570) 1592.93,587.07 ccw(c1610,604.14) v1@1610,580 ; 1622,636 1640,636 v1@1654.5,621.5
  Top Layer w25: 2.5.2@2053.53,279.91 cw(c2037.9,264.28) 2060,264.28 cw(c2082.1,264.28) 2.5.2@2066.47,279.91 ; v1(2060,230) 2.5.2@2060,307.05
  Bottom Layer w10: v1@1795,376.46 v1(1795,380)
  Bottom Layer w25: 1627,570 v1(1610,570) 1653.14,570 1656,567.14 ; v1(1656,623) 1656,567.14 ; v1(1795,380) 1794,381 1794,429.14 1656,567.14 ; v1@1800,380 1950,230 v1(2060,230) 2254.66,230 C5.1@2257,232.34 ; 2189.6,230 cw(c2189.6,162.87) C5.1@2237.06,210.34 ; 2192.79,230 ccw(c2192.79,292.61) 2237.06,248.34 ccw(c2188.93,296.47) 2257,296.47 ; C6.1@2247.74,340.34 cw(c2225.4,318) 2257,318 cw(c2288.6,318) C6.1@2266.26,340.34 ; C5.1@2257,229.34 C5.1 C5.1@2257,232.34 ; 2257,291.95 ccw(c2318.67,291.95) C5.1@2275.06,248.34 ; C6.1 C5.1@2257,232.34
VCC3.3: 3.3.2@1935,957.95 C3.1 C4.1 Q1.3 Q2.3 Q3.3 R4.2 R5.1 R9.1 SDCARD.4 U1.6 U1.14 U1.19 U1.26 U1.38 U1.43 U1.45 | length 5418.6
  Top Layer w8: U1.6 1610,616 1613,613 1616,610 ; U1.14 1608,476.65 ; 1648,735.35 U1.45 1648,823 1651,826 ; 1688,745.96 U1.43 1688,827 ; U1.19 1708,476.65 ; 1788,735.35 U1.38 ; 1837.96,516 U1.26 1906,516
  Top Layer w10: SDCARD.4 801.13,233.87 SDCARD.4@805,230 ; 1613,613 1694.5,531.5 ; 1651,826 v1(1670,845) 1688,827 ; v1@1660,845 cw(c1635.86,845) 1652.93,827.93 cw(c1670,810.86) 1670,835 cw(c1670,810.86) 1687.07,827.93 cw(c1704.14,845) v1@1680,845 ; 1688,745.96 1688,717 1715,690 ; 1788,553 1790.35,553 1827.35,516 1837.96,516 ; 1906,516 2132,516 2143,505 v1(2180,505) ; v1@2172.93,497.93 ccw(c2155.86,480.86) 2155.86,505 ccw(c2155.86,529.14) v1@2172.93,512.07
  Top Layer w15: SDCARD.4@795.29,252.21 ccw(c771.86,275.64) 805,275.64 ; SDCARD.4@801.13,223.87 SDCARD.4 ; SDCARD.4@805,230 805,340 880,415 v1(880,750) v1@880,755 ; v1@874.7,744.7 cw(c861.89,731.89) 880,731.89 cw(c898.11,731.89) v1@885.3,744.7
  Top Layer w25: 1608,476.65 1608,507.5 1607.75,507.75 1631.5,531.5 1668.5,531.5 ; 1648,735.35 1648,707 1675,680 1768,680 1788,660 ; 1708,476.65 1708,492 1668.5,531.5 ; 1788,735.35 1788,660 ; 3.3.2@1928.53,985.09 ccw(c1912.9,1000.72) 1935,1000.72 ccw(c1957.1,1000.72) 3.3.2@1941.47,985.09 ; 3.3.2@1935,957.95 v1@1935,1025 ; 1668.5,531.5 1694.5,531.5 1766.5,531.5 1788,553 1788,660
  Bottom Layer w15: Q1.3 Q2.3 Q3.3 1121.58,751.58 1190,820 ; 858.07,751.58 cw(c858.07,728.07) v1@874.7,744.7 ; v1@885.3,744.7 cw(c901.93,728.07) 901.93,751.58
  Bottom Layer w25: R5.1@1295.34,688.74 ccw(c1273,666.4) 1273,698 ccw(c1273,729.6) R5.1@1295.34,707.26 ; R5.1 1222,698 1190,730 1190,820 1190,890 1324.6,1024.6 R9.1 ; C4.1@1595.4,894.03 ccw(c1595.4,935.14) 1624.47,906.07 ; C4.1@1604.66,867.74 cw(c1627,845.4) 1627,877 cw(c1627,908.6) C4.1@1604.66,886.26 ; R9.1@1618.81,1015.34 ccw(c1596.46,993) 1596.46,1024.6 ccw(c1596.46,1056.2) R9.1@1618.81,1033.85 ; R9.1@1622.74,1015.34 cw(c1600.4,993) 1632,993 cw(c1663.6,993) R9.1@1641.26,1015.34 ; R9.1@1645.19,1015.34 cw(c1667.54,993) 1667.54,1024.6 cw(c1667.54,1056.2) R9.1@1645.19,1033.85 ; v1(1670,845) 1638,877 C4.1 1632,913.6 1632,950 R9.1 ; 1692.11,1024.6 cw(c1692.11,943.34) C3.1@1749.74,1000.63 ; C3.1@1732.01,983 ccw(c1632.01,883.6) R9.1 ; C3.1@1732.35,1024.6 R9.1 ; C3.1 1848.94,1001.94 1882,1035 v1(1935,1035) ; C3.1@1771.53,1018.47 C3.1@1778.06,1025 ; C3.1@1777.94,982.94 cw(c1823.81,937.07) 1823.81,1001.94 cw(c1823.81,1066.82) C3.1@1777.94,1020.94 ; R4.2 2167,518 v1(2180,505) ; R4.2@2108.66,508.74 cw(c2131,486.4) 2131,518 cw(c2131,549.6) R4.2@2108.66,527.26 ; 2142.58,518 cw(c2142.58,467.58) v1@2178.23,503.23
VCC5.0: 2.5.3 3.3.3 J2.1 J4.1 R13.1 | length 6316.9
  Top Layer w25: J4.1@87.96,368.59 cw(c58.89,339.52) 100,339.52 cw(c141.11,339.52) J4.1@112.04,368.59 ; J4.1@100,397.66 ccw(c100,438.77) 129.07,409.7 ccw(c158.14,380.63) J4.1@117.03,380.63 ; 211.43,492.06 ccw(c148.49,555) v2@237.5,555 ; v2(250,555) 250,530.63 J4.1 100,195 250,45 1795,45 1969.45,219.45 1969.45,235.55 ; v2(500,920.63) 500.63,920 1215,920 1500,1205 1545,1205 1710,1205 1795,1120 1945,1120 2025.55,1039.45 3.3.3 ; v2@508.84,911.79 cw(c528.66,891.97) 528.66,920 ; v2@508.84,929.47 ccw(c531.7,952.33) 531.7,920 ; 2.5.3@1962.98,279.91 cw(c1947.35,264.28) 1969.45,264.28 cw(c1991.55,264.28) 2.5.3@1975.92,279.91 ; 2.5.3@1969.45,313.94 2.5.3 1969.45,235.55 ; 3.3.3@2019.08,985.09 ccw(c2003.45,1000.72) 2025.55,1000.72 ccw(c2047.65,1000.72) 3.3.3@2032.02,985.09 ; J2.1@2562.96,267.64 cw(c2533.89,238.58) 2575,238.58 cw(c2616.11,238.58) J2.1@2587.04,267.64 ; J2.1 2575,201 2419,45 2295,45 2160,180 2025,180 1969.45,235.55
  Bottom Layer w25: v2@241.16,563.84 ccw(c219.82,585.18) 250,585.18 ccw(c280.18,585.18) v2@258.84,563.84 ; v2(250,555) 250,670.63 v2(500,920.63) ; v2@487.5,920.63 cw(c457.32,920.63) 478.66,899.29 cw(c500,877.95) v2@500,908.13 ; R13.1 2483,178 2575,270 J2.1 ; R13.1@2500.03,175.4 cw(c2547.41,175.4) 2513.91,208.91 ; 2539.08,234.08 ccw(c2493.48,279.68) J2.1@2557.97,279.68
XCS: J2.6 U1.23 | length 1247.4
  Top Layer w8: v1@1779.22,484.22 cw(c1758.03,463.03) 1788,463.03 ; U1.23 v1@1788,492 ; 1788,467.86 cw(c1811.14,467.86) v1@1794.78,484.22
  Top Layer w10: v1(1787,492) v1@1788,492
  Bottom Layer w10: v1(1787,492) v1@1787,495
  Bottom Layer w15: v1@1781.7,497.3 ccw(c1761.65,517.35) 1790,517.35 ; v1@1785,495 v1@1790,500 ; v1@1790,495 v1@1790,500 ; J2.6@2553,780.69 ccw(c2507.44,782.76) 2539.69,815 ; J2.6@2574,801.69 cw(c2571.93,847.24) 2539.69,815 ; J2.6 2539.69,815 ; v1@1790,500 1790,675 1930,815 2539.69,815
XDCS: J2.5 U1.13 | length 1278
  Top Layer w8: 1588,399.98 U1.13
  Top Layer w10: 1587.98,396.44 1587.98,399.98
  Top Layer w15: 1587.98,396.44 1587.98,377.02 1619.5,345.5 1815.5,345.5 1940,470 2365.31,470 J2.5 ; J2.5@2552.97,679.68 cw(c2499.79,679.68) 2537.4,642.08 cw(c2575,604.48) J2.5@2575,657.66
XI: C1.1 R8.1 U1.18 Y1.1 | length 895.8
  Top Layer w8: U1.18 1688,397 v1@1702.5,382.5
  Bottom Layer w10: R8.1 R8.1@1690,102
  Bottom Layer w15: R8.1@1690,100 1780,100 1795,115 1795,200 ; v1@1694.7,374.7 cw(c1681.89,361.89) 1700,361.89 cw(c1718.11,361.89) v1@1705.3,374.7 ; v1@1695,380 v1@1700,375 ; R8.1@1698.19,85.27 cw(c1733.75,49.71) 1733.75,100 ; R8.1@1698.19,110.85 ccw(c1724.4,137.06) 1724.4,100 ; v1(1700,380) v1@1700,375 ; Y1.1@1731.5,240 ccw(c1674.77,240) 1714.88,280.12 ccw(c1755,320.23) Y1.1@1755,263.5 ; 1743.66,100 cw(c1743.66,53.13) C1.1@1776.81,86.27 ; 1748.19,100 ccw(c1748.19,140.48) C1.1@1776.81,111.85 ; Y1.1@1755.05,216.5 cw(c1755.17,160.17) 1795,200 ; C1.1@1776.81,119.73 ccw(c1732.88,163.65) 1795,163.65 ; Y1.1@1778.5,239.95 ccw(c1834.83,239.83) 1795,200 ; 1795,137.57 ccw(c1820.23,137.57) C1.1@1802.39,119.73 ; v1@1700,375 1700,295 Y1.1 1795,200
XO: C2.1 R8.2 U1.17 Y1.2 | length 935
  Top Layer w8: v1(1655,380) 1668,393 U1.17
  Bottom Layer w15: C2.1@1487.61,118.73 ccw(c1456.73,149.61) 1500.4,149.61 ccw(c1544.08,149.61) C2.1@1513.19,118.73 ; C2.1@1513.19,89.21 cw(c1544.08,58.33) 1544.08,102 cw(c1544.08,145.67) C2.1@1513.19,114.79 ; Y1.2@1531.5,240 cw(c1474.77,240) 1514.88,199.88 cw(c1555,159.76) Y1.2@1555,216.5 ; Y1.2@1555,263.5 ccw(c1555,320.23) 1595.12,280.12 ccw(c1635.24,240) Y1.2@1578.5,240 ; R8.2@1597.81,89.21 ccw(c1566.92,58.33) 1566.92,102 ccw(c1566.92,145.67) R8.2@1597.81,114.79 ; R8.2@1610,115 1597,102 C2.1 1500.4,185.4 Y1.2 1655,340 v1@1655,375 ; v1@1649.7,374.7 cw(c1636.89,361.89) 1655,361.89 cw(c1673.11,361.89) v1@1660.3,374.7 ; v1(1655,380) v1@1655,375 ; v1@1660,380 v1@1655,375
XRESET: J2.3 R1.2 U1.3 | length 2170.7
  Top Layer w8: 1488.42,676 U1.3
  Top Layer w10: J2.3@2565.16,469.84 J2.3
  Top Layer w15: v1@1439.7,670.7 ccw(c1426.89,657.89) 1426.89,676 ccw(c1426.89,694.11) v1@1439.7,681.3 ; v1@1450.3,670.7 cw(c1463.11,657.89) 1463.11,676 cw(c1463.11,694.11) v1@1450.3,681.3 ; 1488.42,676 v1(1445,676) 1411,676 1370,635 1370,448 1526.5,291.5 1840.5,291.5 1962,413 2508.31,413 J2.3 ; J2.3@2552.97,479.68 cw(c2499.79,479.68) 2537.4,442.08 cw(c2575,404.48) J2.3@2575,457.66
  Bottom Layer w8: v1(1445,676) v1@1449,680
  Bottom Layer w15: R1.2 1427,808 1455,780 1455,680 v1@1450,675 ; R1.2@1392.19,795.21 cw(c1423.08,764.33) 1423.08,808 cw(c1423.08,851.67) R1.2@1392.19,820.79 ; v1@1439.7,681.3 ccw(c1402.75,718.25) 1455,718.25
pads on no net: 2.5.2@2060,62.95 3.3.2@1935,1202.05 Phonejack. SDCARD.8 SDCARD.9 SDCARD.10 SDCARD.11 SDCARD.12 U1.1 U1.2 U1.11 U1.12 U1.15 U1.25 U1.27 U1.31 U1.32 U1.35 U1.36 U1.48

## Polygon pours and split planes (outlines as drawn)
GND on Top Layer "Top Layer-No Net" (solid, remove dead copper, pour order 1000): 5,1255 5,5 2672,5 2672,1255
GND on Bottom Layer "Top Layer-No Net" (solid, remove dead copper, pour order 1001): 5,1255 5,5 2672,5 2672,27 2672,1255

## Keep-outs
Keep-Out Layer:
  circle w7.87: c74.69,1182 r43.31
  circle w7.87: c74.69,73 r43.31
  circle w7.87: c2606.69,1190 r43.31
  circle w7.87: c2611.69,66 r43.31

## Silkscreen, mask and mechanical layers (free items; w line width, h text height)
Top Overlay:
  text "CLK" at 2503,969 h40 r90
  text "DO" at 181,864 h40
  text "MOSI" at 2505,821 h40 r90
  text "CLK" at 172,761 h40
  text "XCS" at 2404,741 h40
  text "DI" at 172,666 h40
  text "XDCS" at 2365,632 h40
  text "CS" at 172,590 h40
  text "DREQ" at 2366,551 h40
  text "GND" at 171,460 h40
  text "XREST" at 2340,453 h40
  text "+5V" at 179,422 h40 r270
  text "GND" at 2400,359 h40
  text "1" at 17,354 h40
  text "1" at 2645,257 h40
  text "+5V" at 2497,216 h40 r90
  text "燕山大学电子与通信工程系" at 214,122 h60
  text "LYW Designed 11.4" at 968,58 h50
  text "生产实习专用电路板" at 289,49 h60
Mechanical 1:
  lines w10: 0,0 2677.17,0 2677.17,1259.84 0,1259.84 0,0